# Altium PCB Board-PCB.PcbDoc (part 1 of 2)
Units mil, origin at the board's own origin, x right, y up, seen from the top; angles counter-clockwise.
Board outline 2362.2 x 3937.01 mil, 4 copper layers (Top Layer, Mid Layer 1, Mid Layer 2, Bottom Layer), stack 30.635 mil thick; 166 components, 151 nets, 694 pads, 360 vias.
Unrouted connection lines stored in the file: 349.
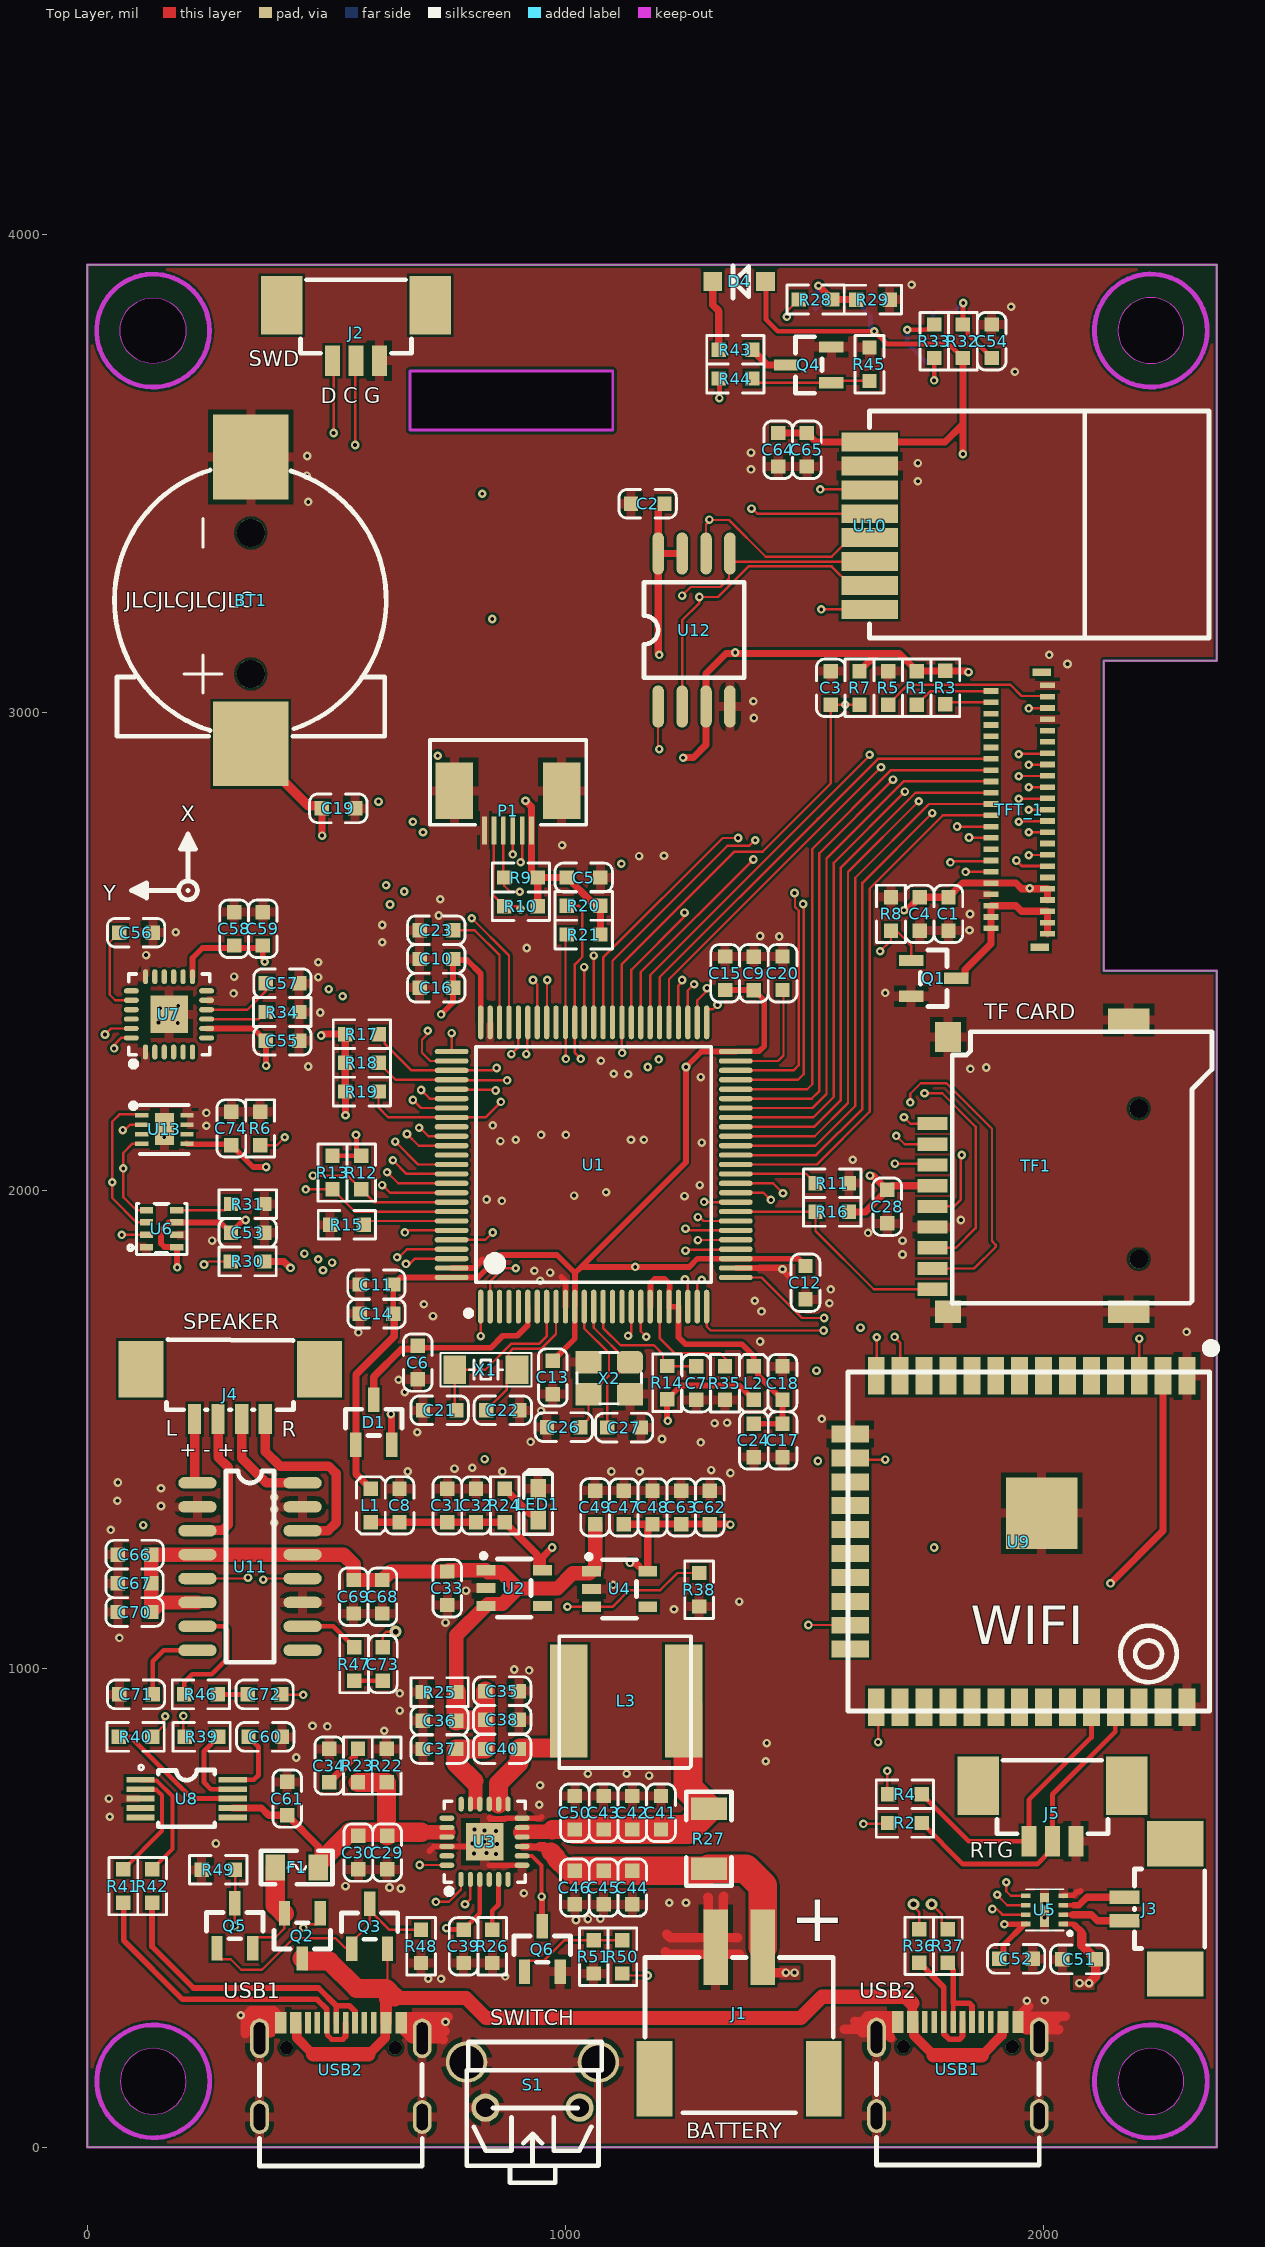
[diagram p0: Top Layer view]
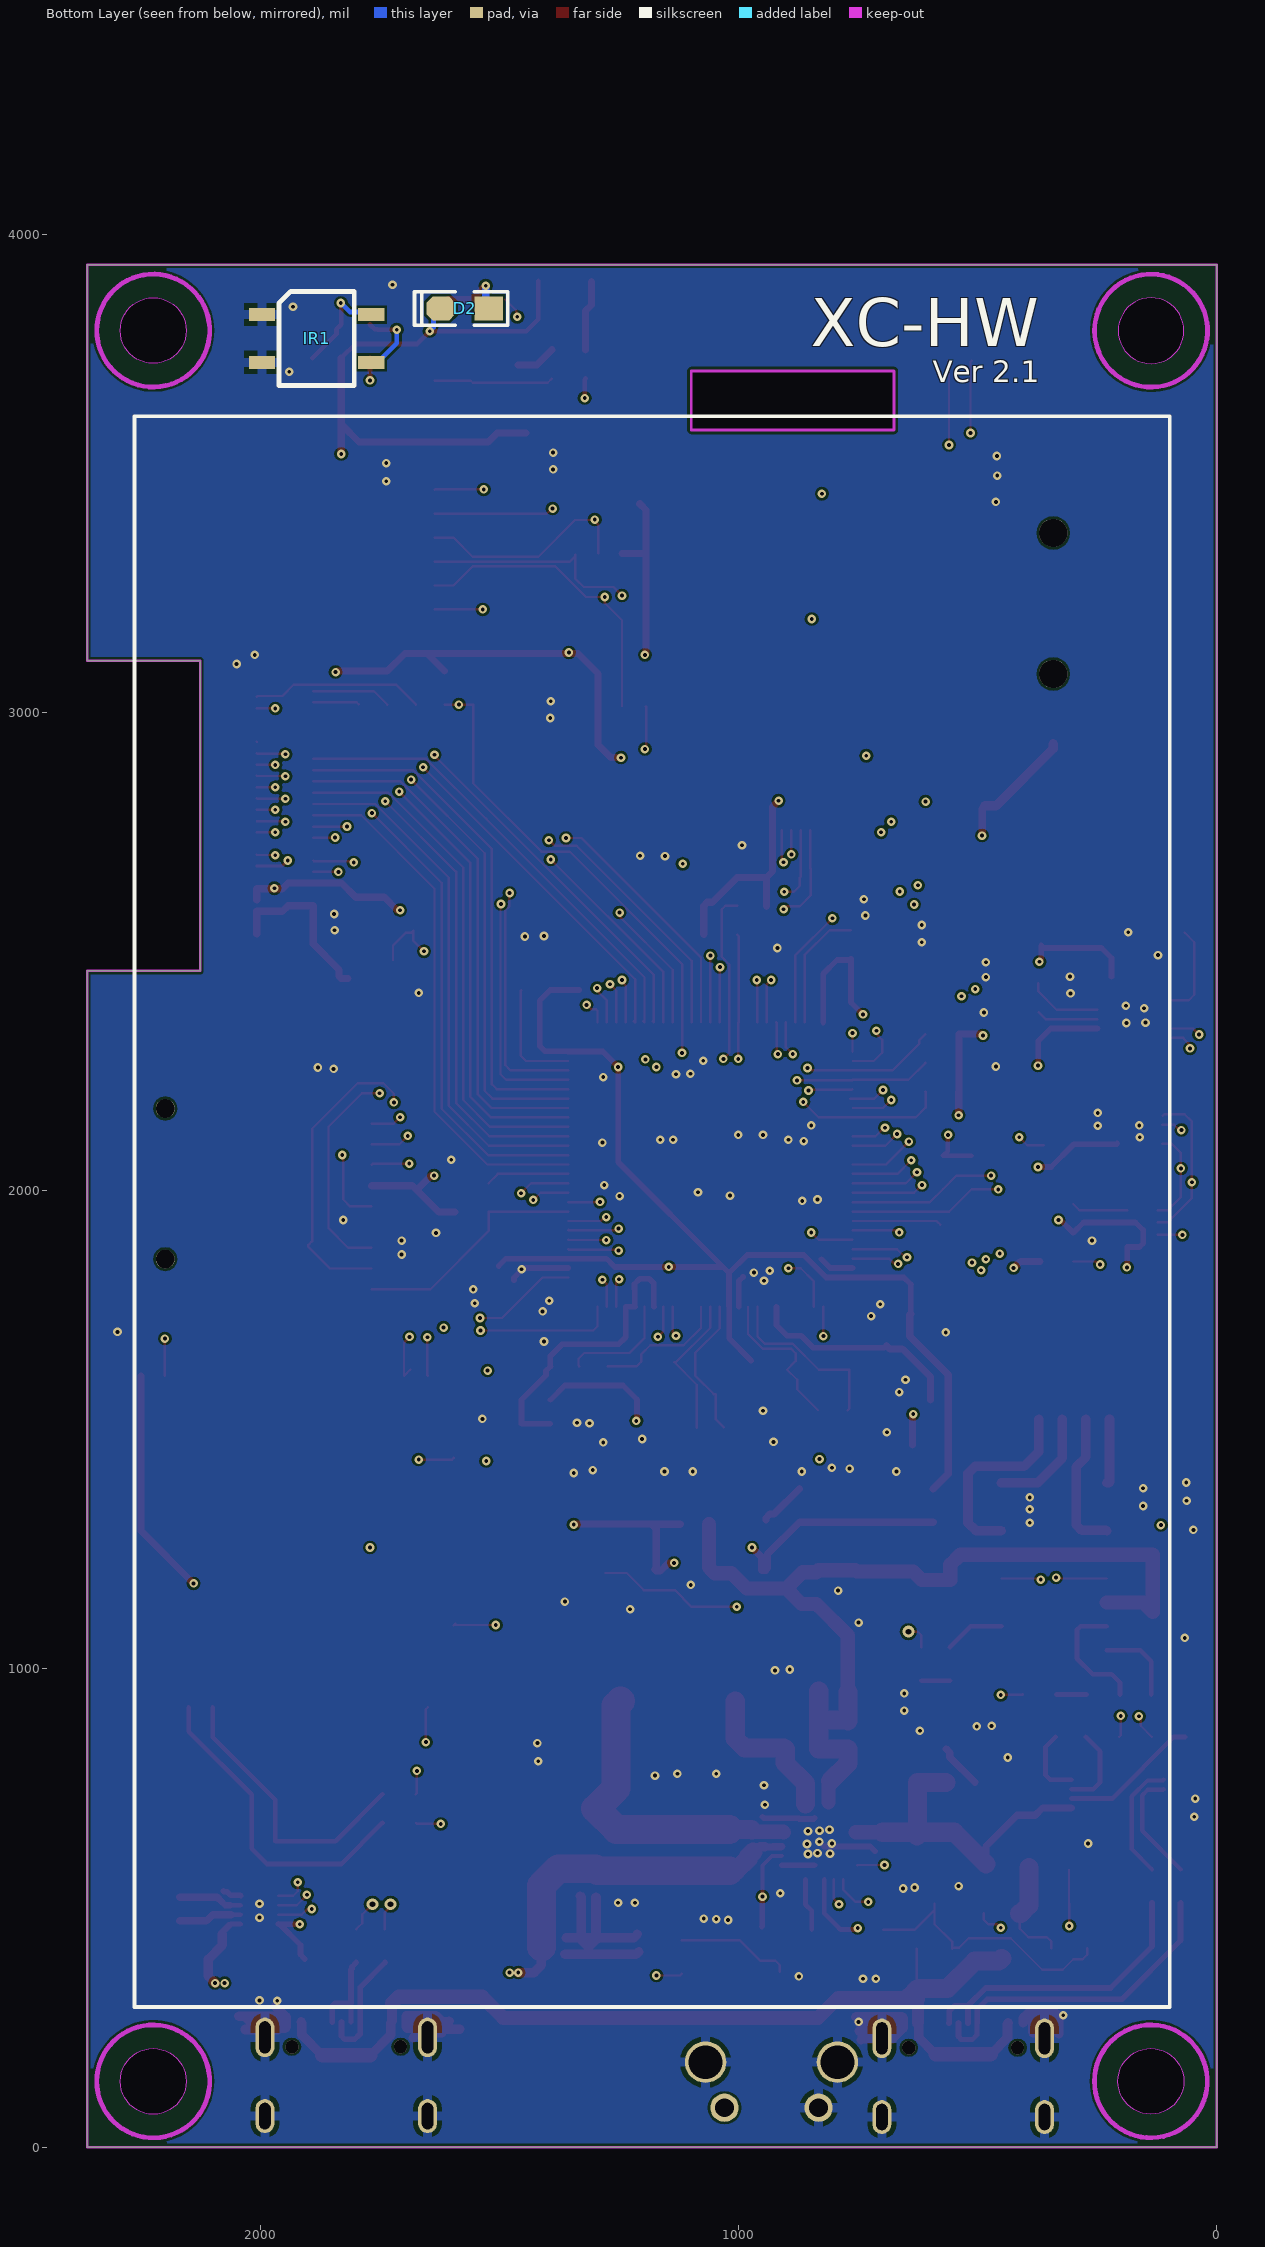
[diagram p1: Bottom Layer view, seen from below]
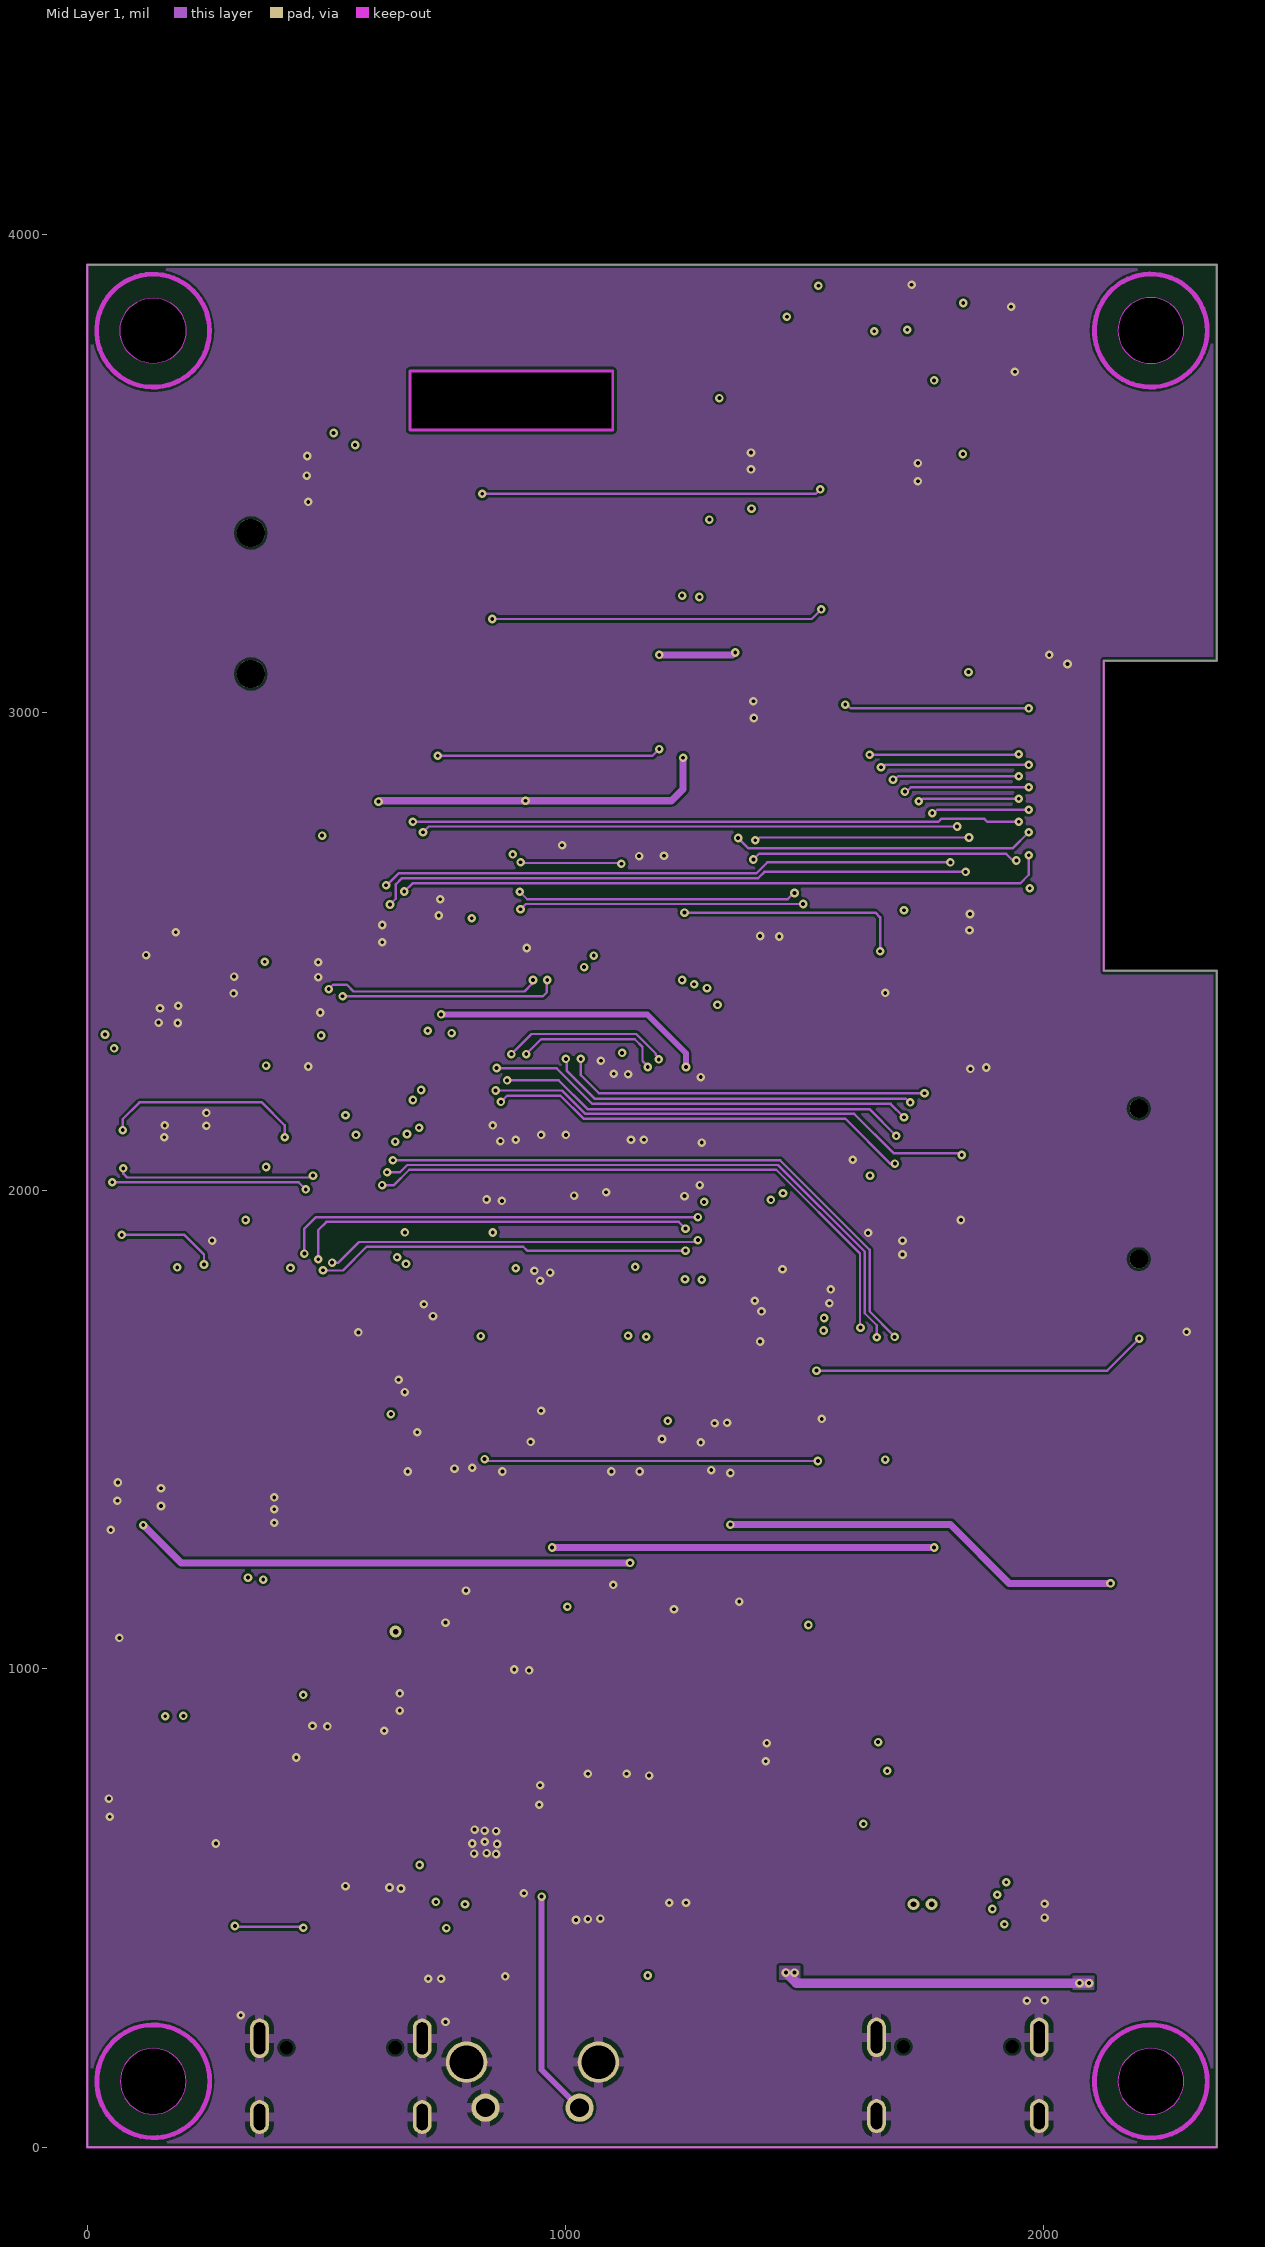
[diagram p2: Mid Layer 1]
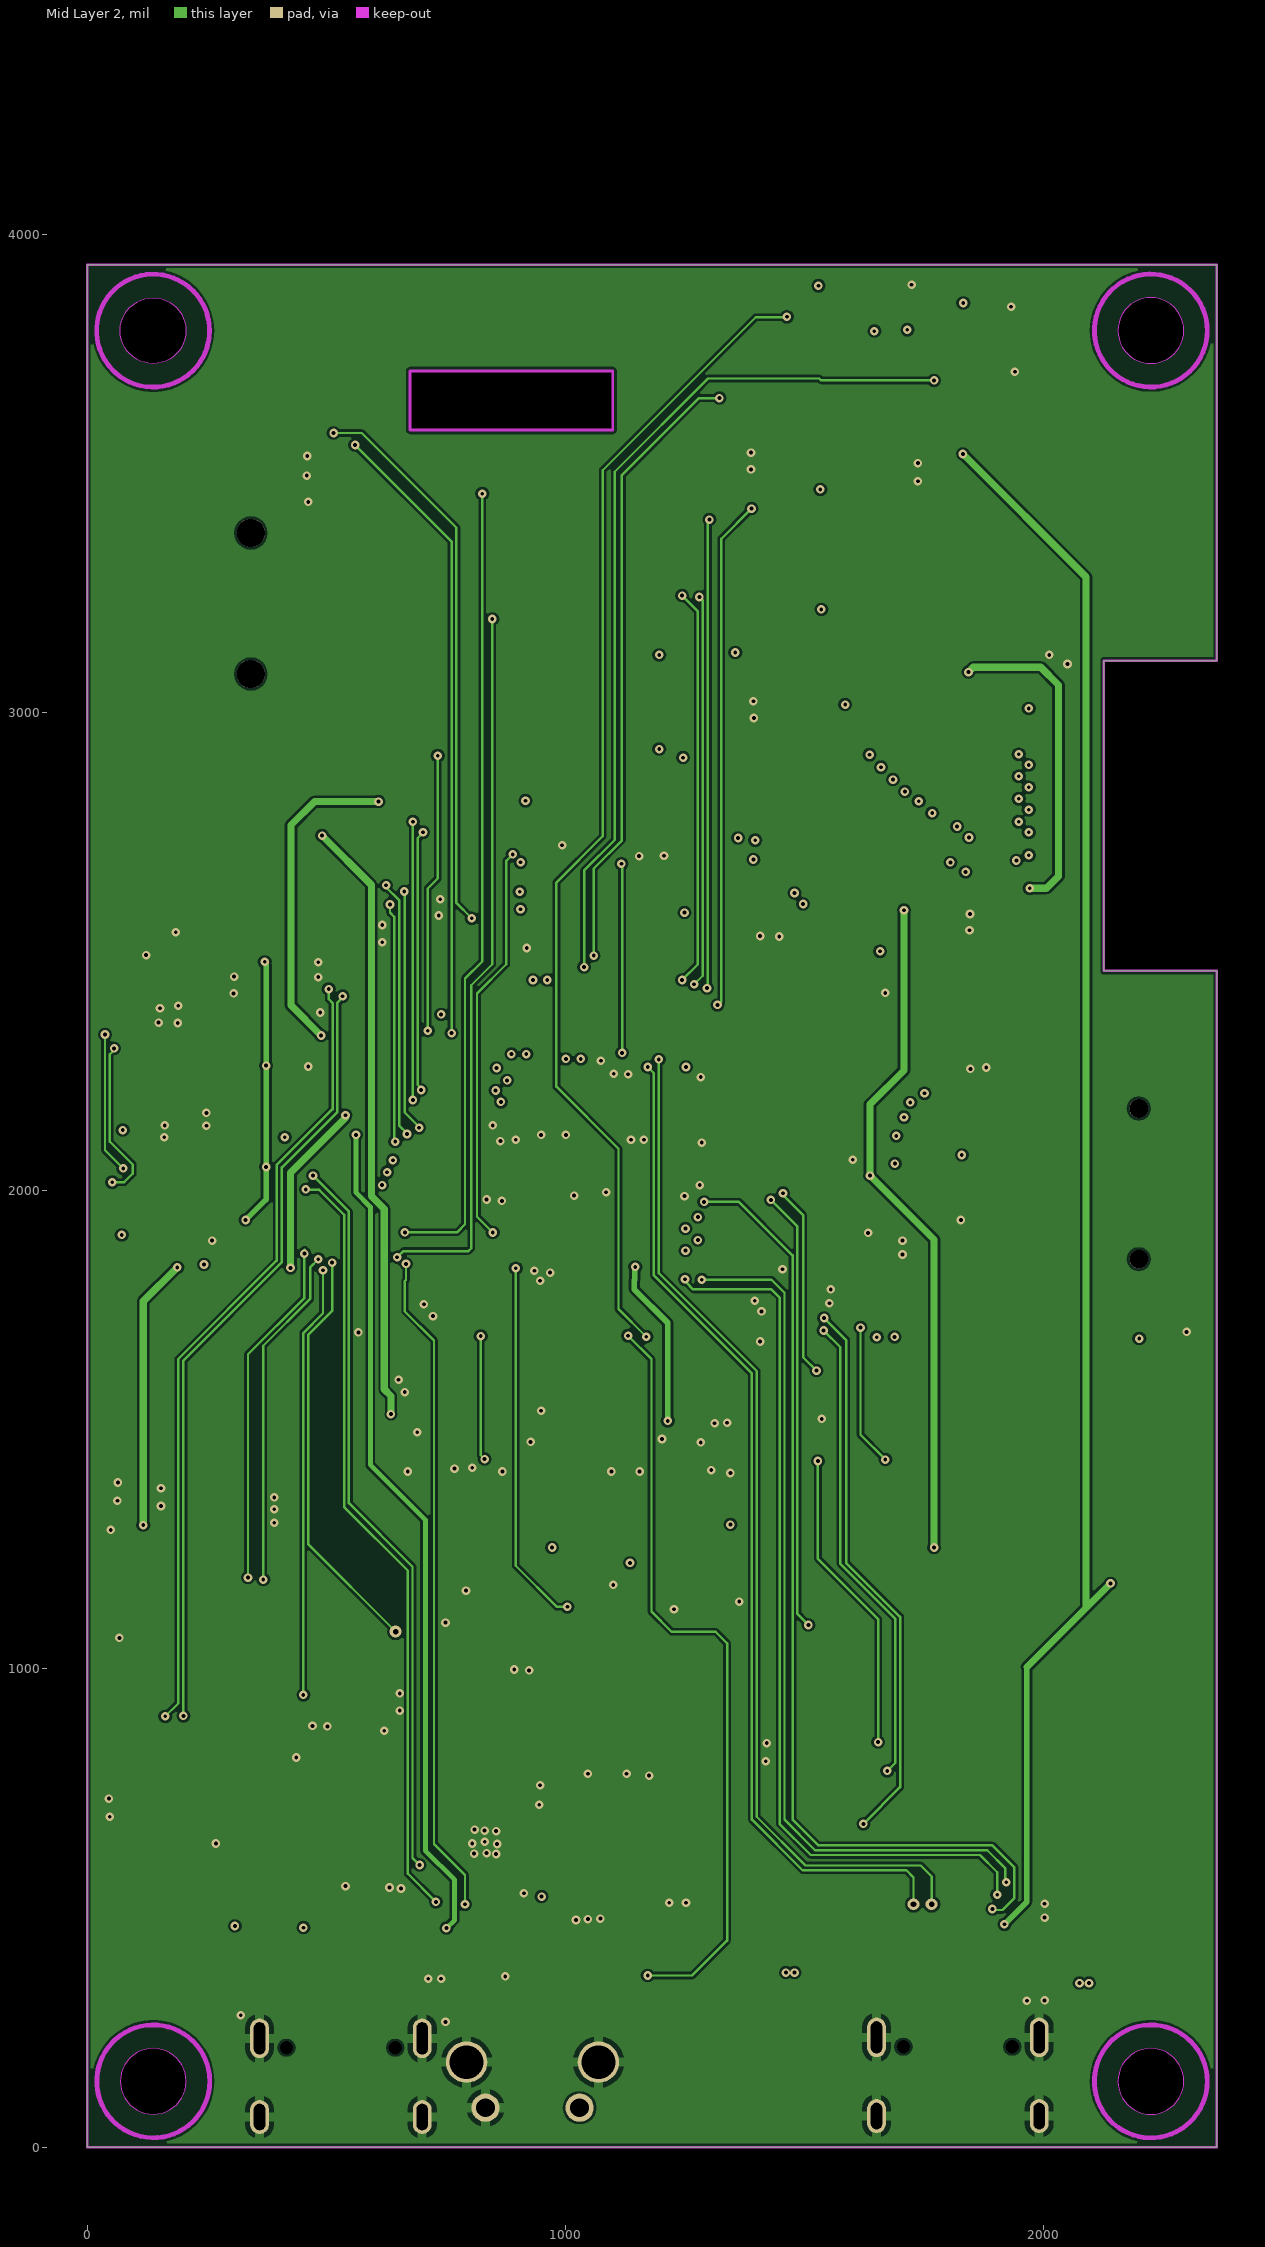
[diagram p3: Mid Layer 2]
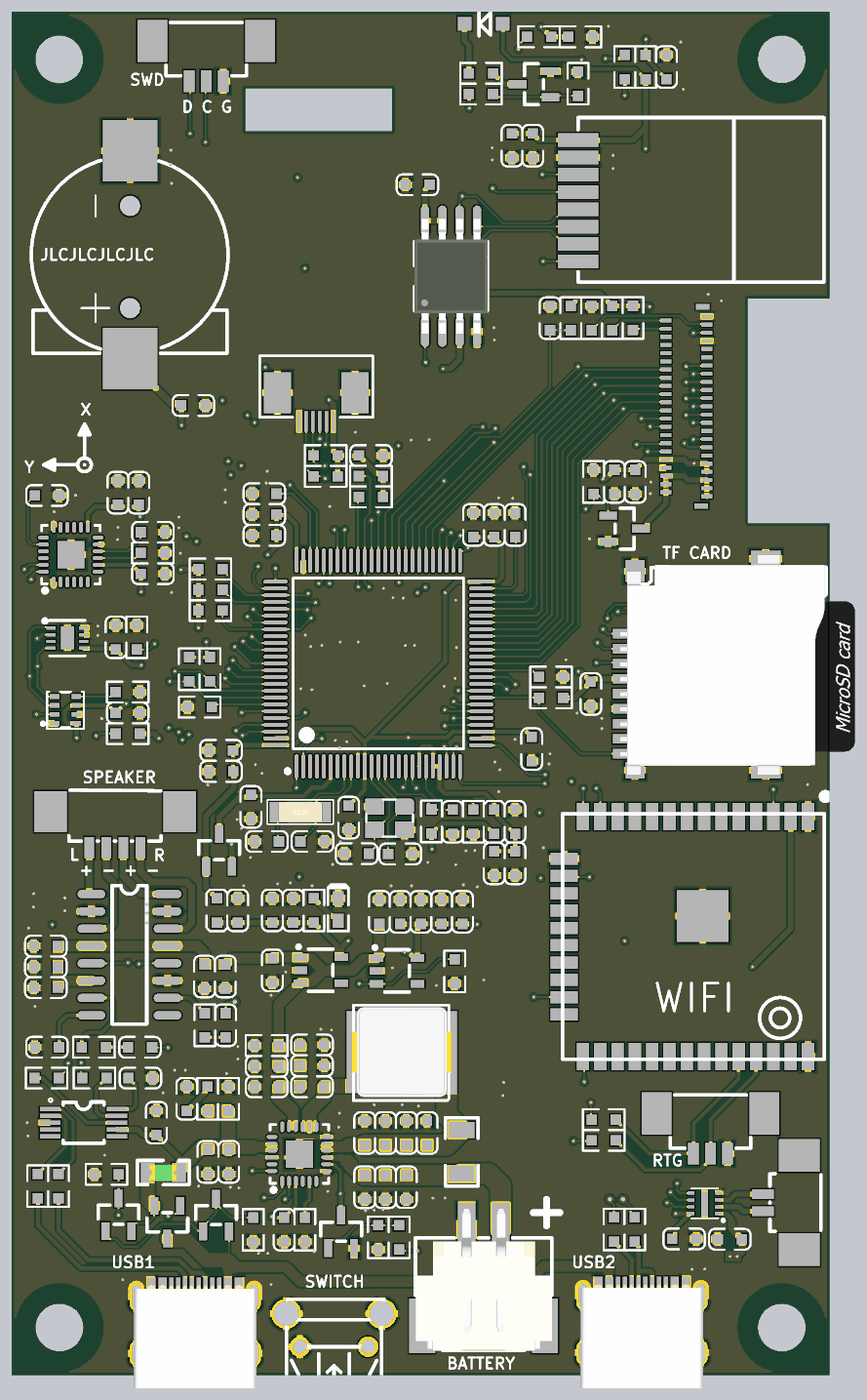
[diagram p5: 3D render of the assembled board from above, using the file's embedded part models]

## Layer stack, top to bottom
Top Solder: solder mask 0.4, Solder Resist, Dk 3.5
Top Layer: signal copper 1.4
Dielectric 1: core 10, FR-4, Dk 4.2
Mid Layer 1: signal copper 1.4173
Dielectric 2: prepreg 5, Dk 4.2
Mid Layer 2: signal copper 1.4173
Dielectric 3: core 10, Dk 4.2
Bottom Layer: signal copper 1.4
Bottom Solder: solder mask 0.4, Solder Resist, Dk 3.5

## Board outline
0,0 0,3937.01 2362.2,3937.01 2362.2,3109 2125.98,3109 2125.98,2460 2362.2,2460 2362.2,0
cut-out: 2155.43,3799.29 ccw(c2224.33,3799.29) 2224.33,3730.39 ccw(c2224.33,3799.29) 2293.23,3799.29 ccw(c2224.33,3799.29) 2224.33,3868.19 ccw(c2224.33,3799.29)
cut-out: 2155.43,137.56 ccw(c2224.33,137.56) 2224.33,68.66 ccw(c2224.33,137.56) 2293.23,137.56 ccw(c2224.33,137.56) 2224.33,206.46 ccw(c2224.33,137.56)
cut-out: 69.02,137.64 ccw(c137.91,137.64) 137.91,68.74 ccw(c137.91,137.64) 206.81,137.64 ccw(c137.91,137.64) 137.91,206.54 ccw(c137.91,137.64)
cut-out: 137.48,3730.16 cw(c137.48,3799.06) 68.58,3799.06 cw(c137.48,3799.06) 137.48,3867.95 cw(c137.48,3799.06) 206.38,3799.06 cw(c137.48,3799.06)
cut-out: 675,3591 675,3715 1099,3715 1099,3591

## Design rules (kind name [scope] priority, off if disabled: settings)
Clearance [All] p1: gap=5 ignorepadtopadclearanceinfootprint=TRUE
MinimumSolderMaskSliver [All] p1 off: minsoldermaskwidth=10
PolygonConnect Via [IsVia] p1: connectstyle=Direct reliefconductorwidth=10 reliefentries=4 polygonreliefangle="90 Angle" airgapwidth=10
PolygonConnect [All] p2: connectstyle=Relief reliefconductorwidth=20 reliefentries=4 polygonreliefangle="90 Angle" airgapwidth=10
RoutingVias [All] p1: holewidth=28 width=50 viastyle="Through Hole" minholewidth=28 minwidth=50 maxholewidth=28 maxwidth=50
SilkToSolderMaskClearance [IsPad] p1 off: minsilkscreentomaskgap=10 clearancetoexposedcopper=TRUE
SolderMaskExpansion [All] p1: expansion=4 istentingtop=FALSE
Width [All] p1: maxlimit=100 minlimit=5 preferedwidth=10
28 further rules are at their usual default settings.

## Classes and differential pairs
component class wireless: C62 C63 C64 C65 J5 R2 R4 U9 U10
component class USB: C60 C61 F1 Q2 Q3 Q5 R36 R37 R39 R40 R41 R42 R48 R49 U8 USB1 USB2
component class speaker: C66 C67 C68 C69 C70 C71 C72 C73 J4 R46 R47 U11
component class sensor: C51 C52 C53 C54 C55 C56 C57 C58 C59 C74 D2 IR1 J3 q R6 R28 R29 R30 R31 R32 R33 R34 U5 U6 U7 U13
component class POWER: C29 C30 C31 C32 C33 C34 C35 C36 C37 C38 C39 C40 C41 C42 C43 C44 C45 C46 C47 C48 C49 C50 J1 L3 LED1 Q6 R22 R23 R24 R25 R26 R27 R38 R50 R51 S1 U2 U3 U4
component class memory: C2 C28 R16 R17 R18 R19 R20 R21 TF1 U12
component class MCU: BT1 C6 C7 C8 C9 C10 C11 C12 C13 C14 C15 C16 C17 C18 C19 C20 C21 C22 C23 C24 C26 C27 D1 L1 L2 R11 R12 R13 R14 R15 R35 U1 X1 X2
component class LCD: C1 C3 C4 C5 P1 Q1 R1 R3 R5 R7 R8 R9 R10 TFT_1
component class connect: D4 J2 Q4 R43 R44 R45
